# KiCad board rabbit_mask_capacitors_right.kicad_pcb
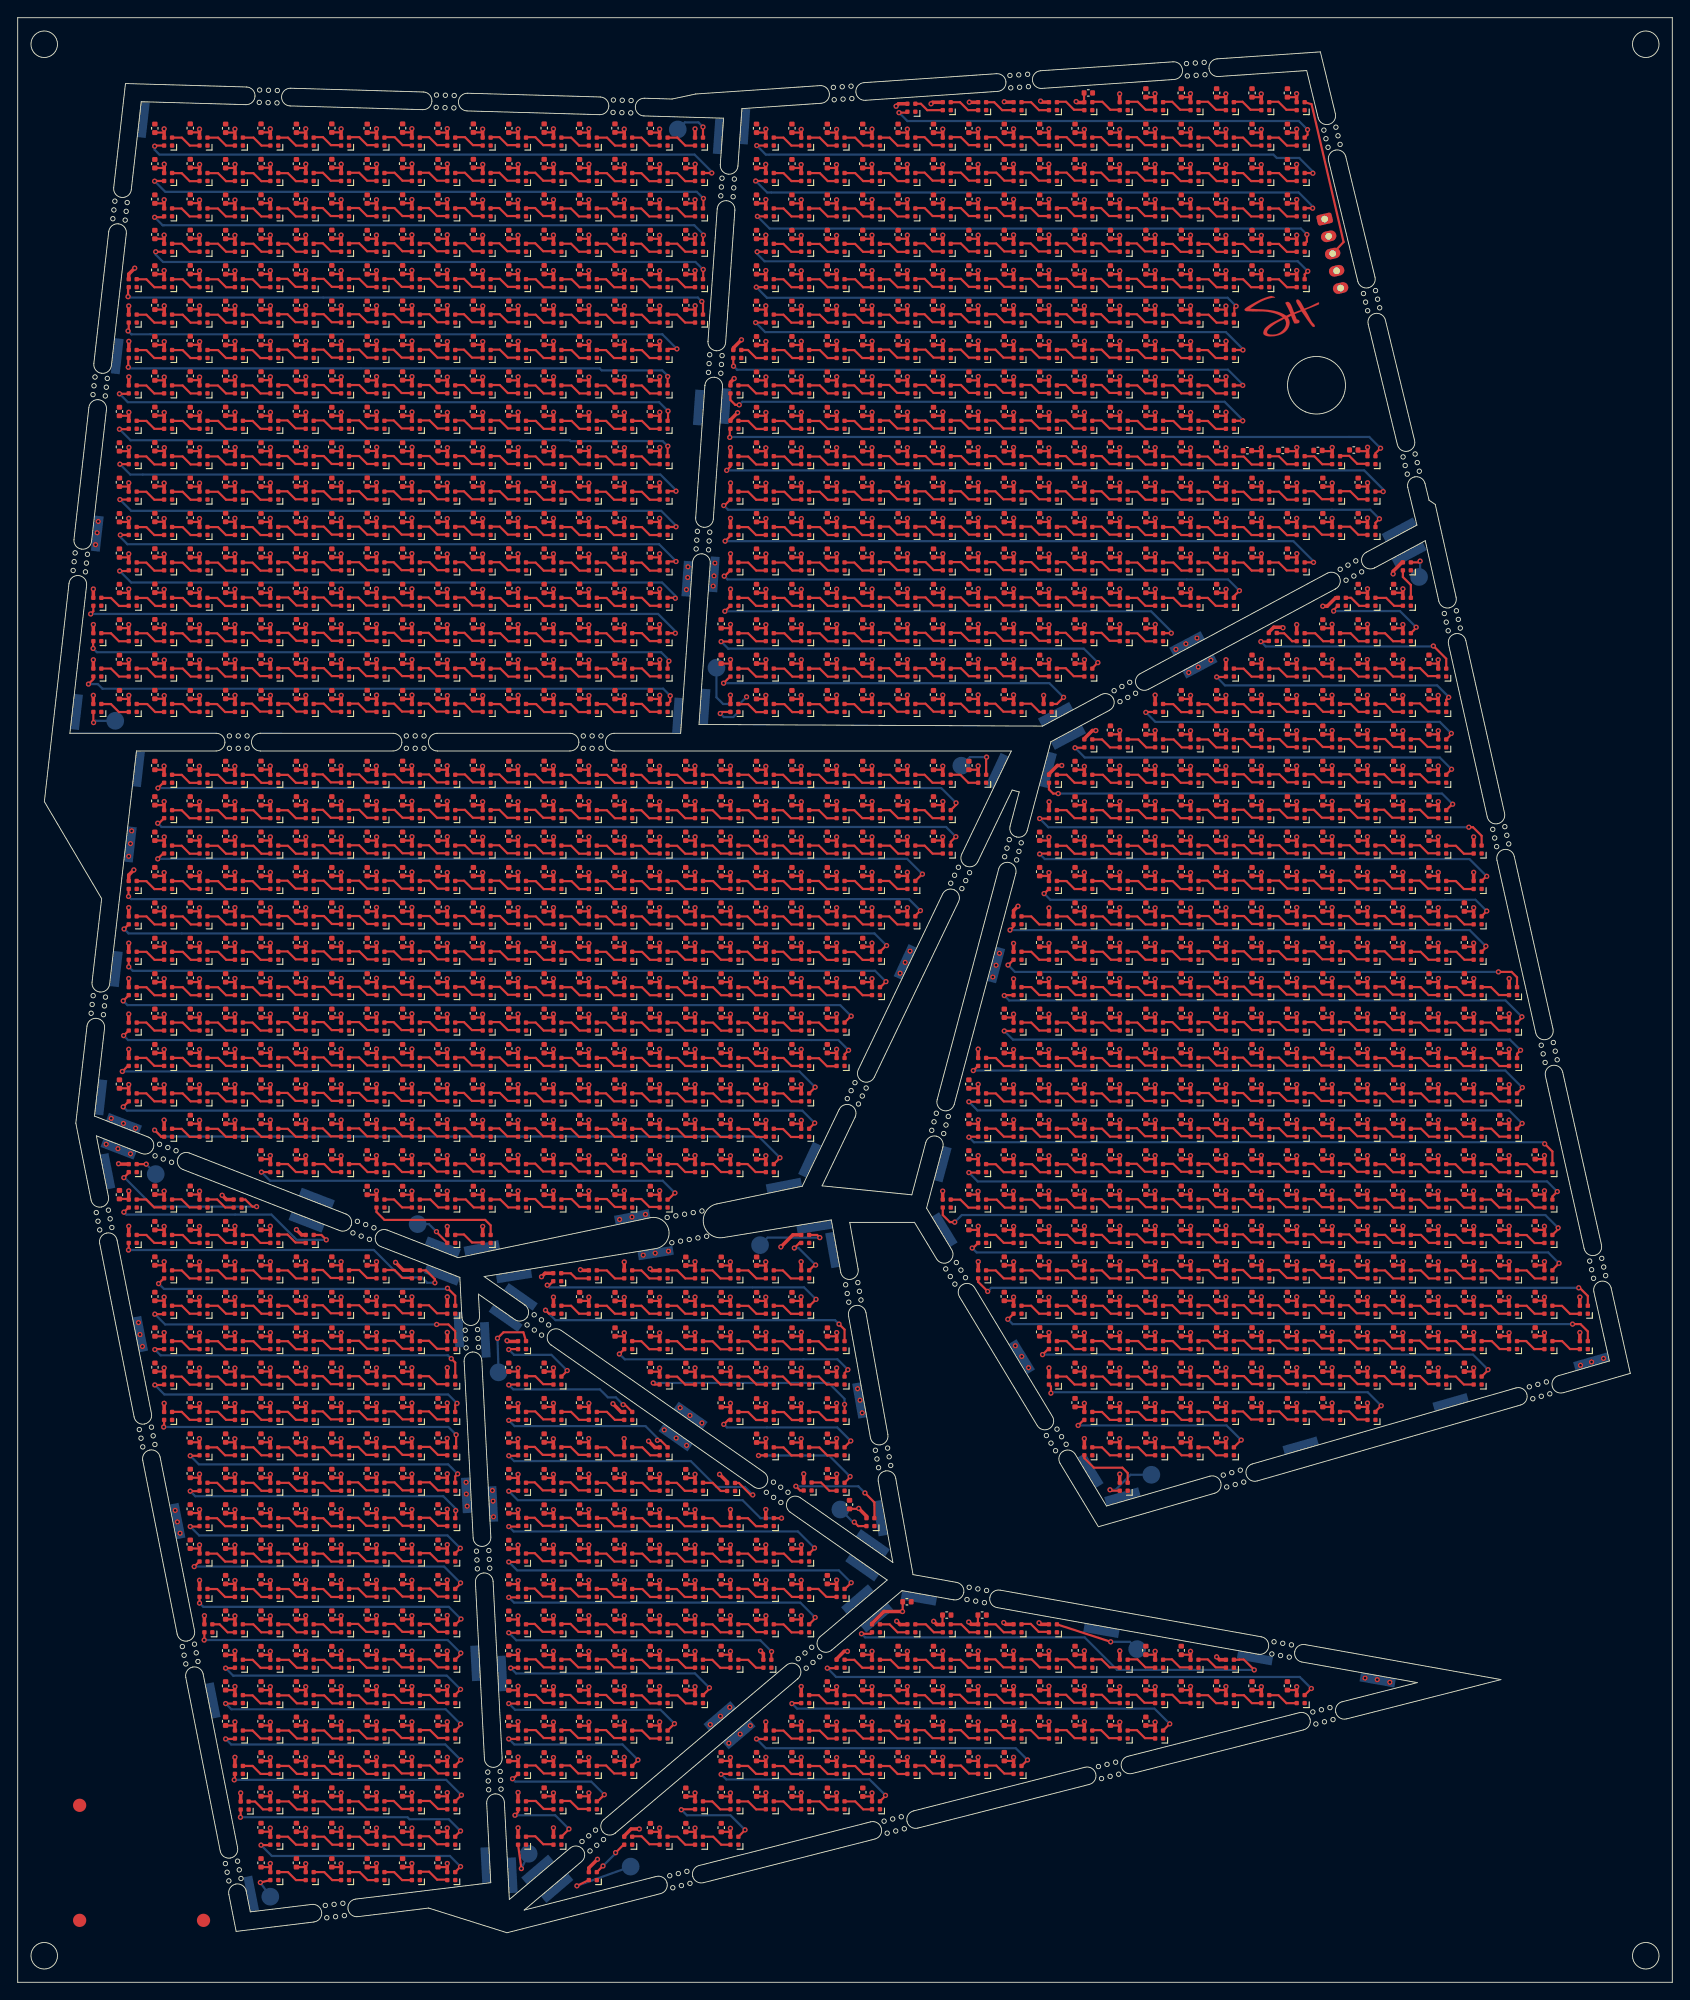
[diagram p0: board, top side]
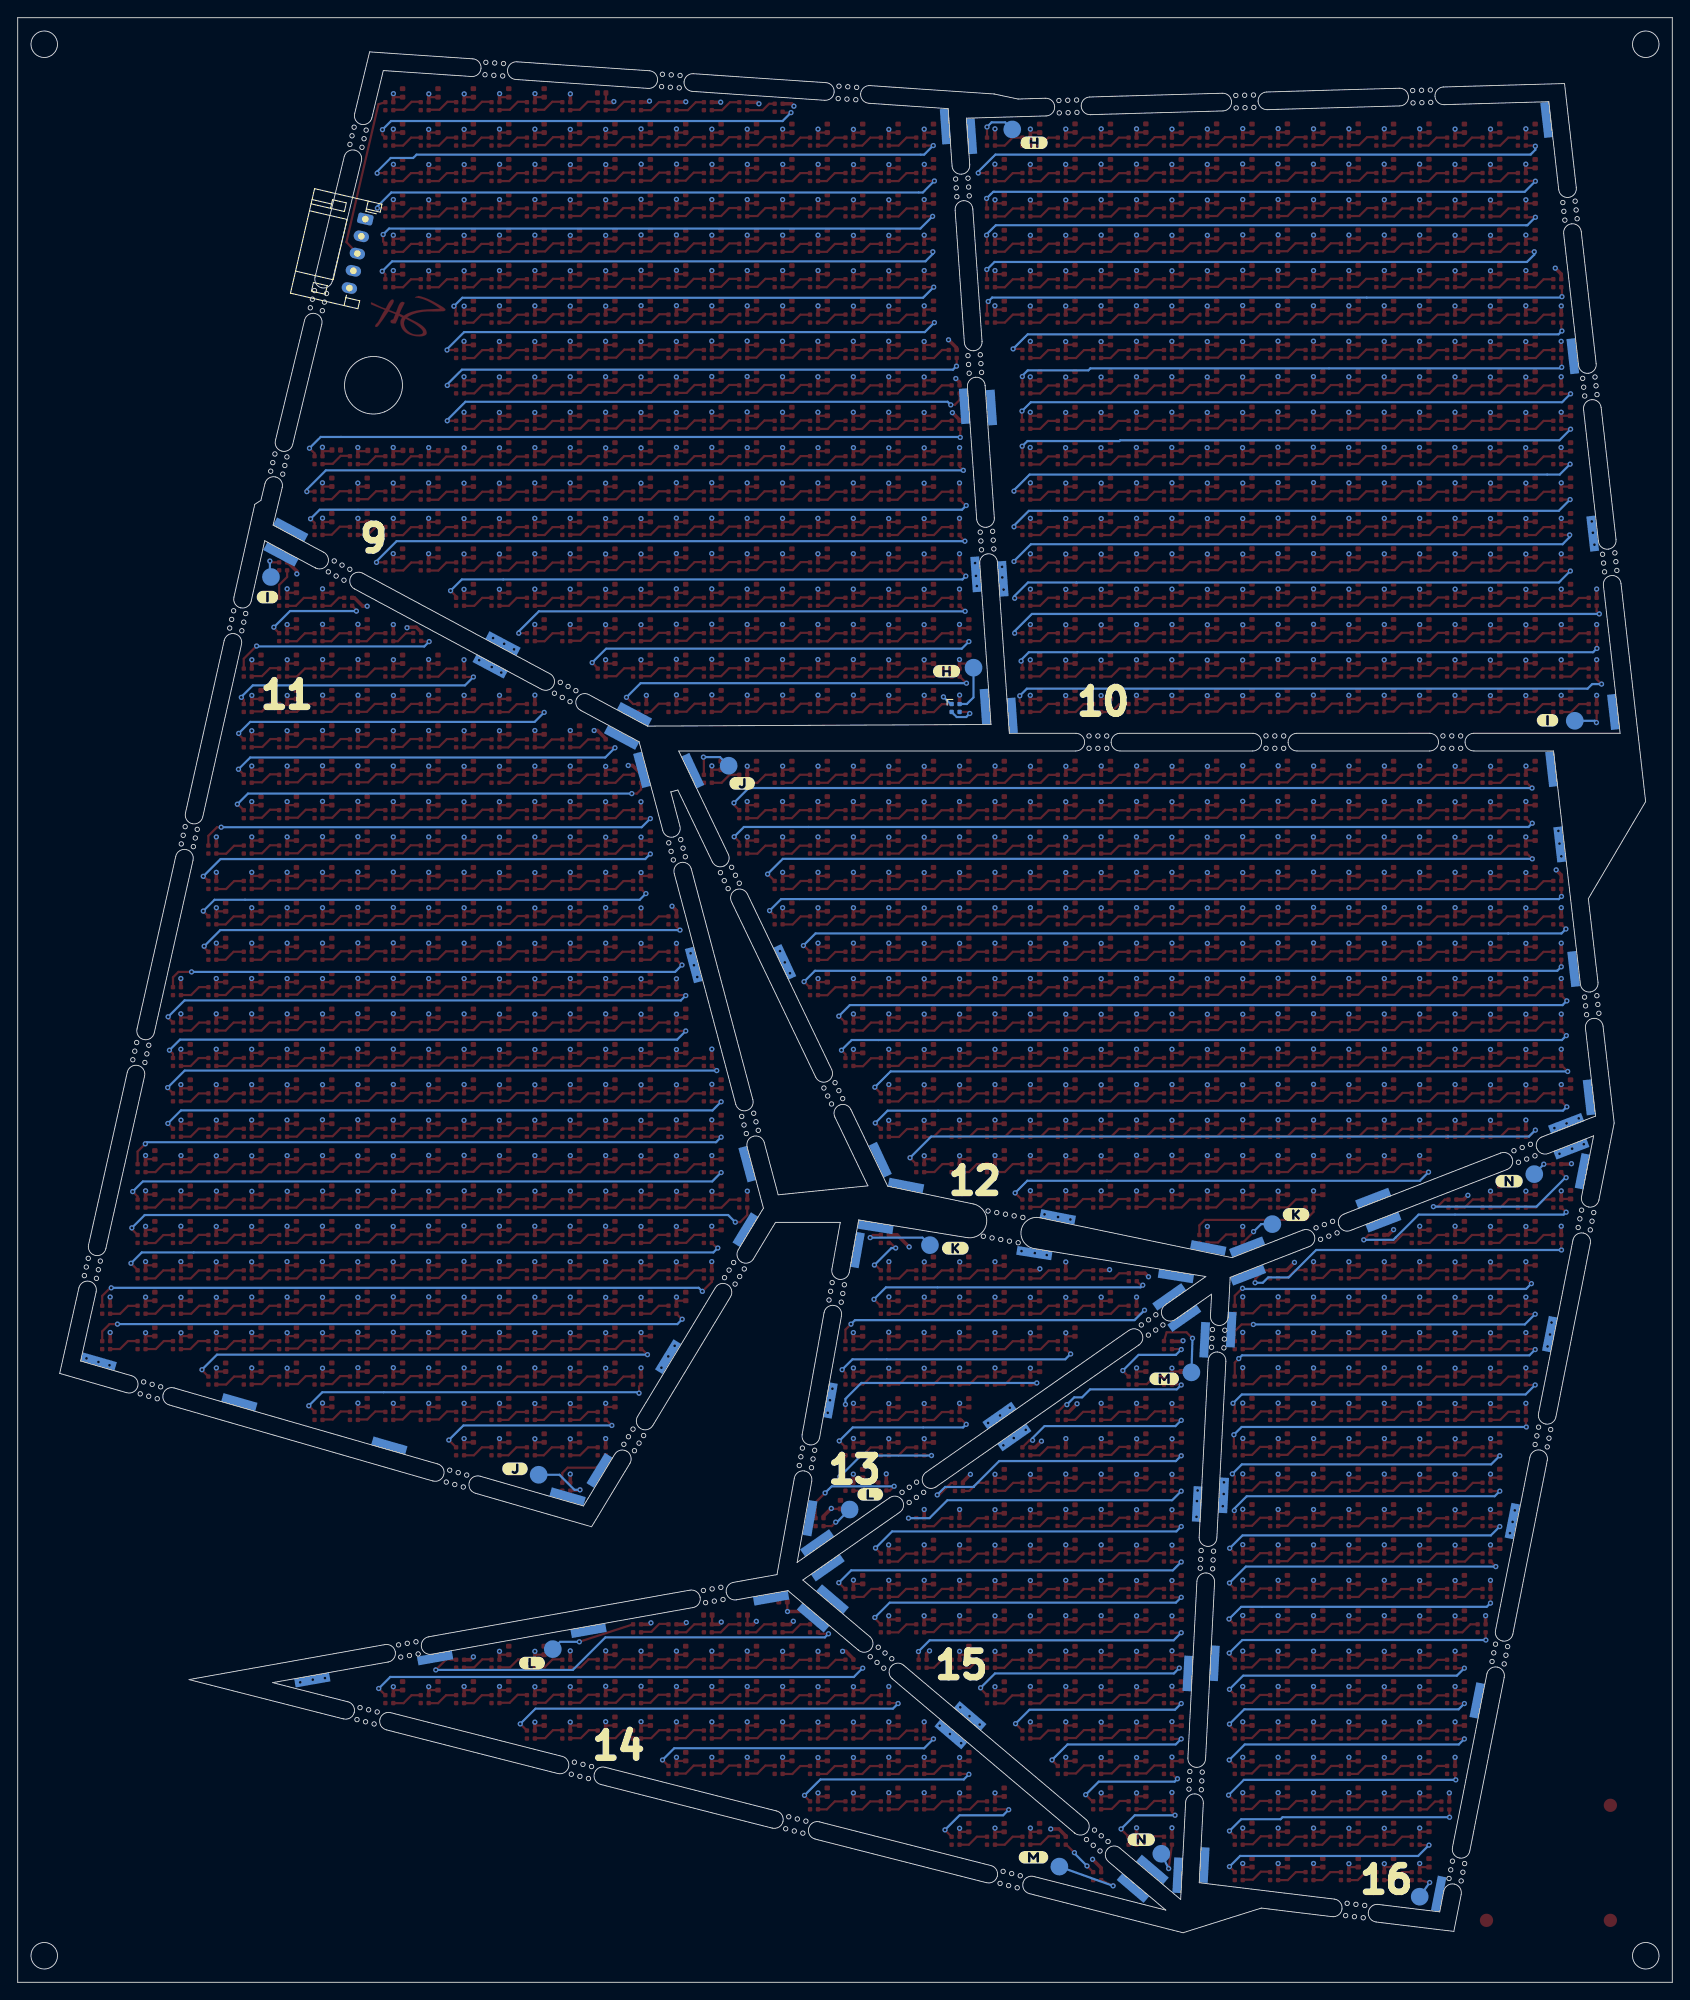
[diagram p1: board, bottom side, seen from below]

Outline 187 x 222 mm; copper layers: Top, Bottom. Coordinates in mm from the lower left corner of the outline.
Outline path: circle c3,219 r1.5 ; circle c3,3 r1.5 ; circle c6.27,159.54 r0.25 ; circle c6.38,160.53 r0.25 ; circle c6.49,161.52 r0.25 ; circle c7.66,159.38 r0.25 ; circle c7.77,160.37 r0.25 ; circle c7.88,161.37 r0.25 ; circle c8.3,109.5 r0.25 ; circle c8.41,110.49 r0.25 ; circle c8.51,179.41 r0.25 ; circle c8.53,111.49 r0.25 ; circle c8.62,180.4 r0.25 ; circle c8.74,181.4 r0.25 ; circle c8.88,86.98 r0.25 ; circle c9.07,86 r0.25 ; circle c9.27,85.02 r0.25 ; circle c9.69,109.34 r0.25 ; circle c9.8,110.33 r0.25 ; circle c9.9,179.25 r0.25 ; circle c9.92,111.33 r0.25 ; circle c10.01,180.25 r0.25 ; circle c10.13,181.24 r0.25 ; circle c10.25,87.25 r0.25 ; circle c10.45,86.27 r0.25 ; circle c10.64,85.29 r0.25 ; circle c10.76,199.28 r0.25 ; circle c10.87,200.28 r0.25 ; circle c10.98,201.27 r0.25 ; circle c12.15,199.13 r0.25 ; circle c12.26,200.12 r0.25 ; circle c12.37,201.11 r0.25 ; circle c13.74,62.46 r0.25 ; circle c13.94,61.48 r0.25 ; circle c14.13,60.5 r0.25 ; circle c15.12,62.73 r0.25 ; circle c15.31,61.75 r0.25 ; circle c15.51,60.77 r0.25 ; circle c15.52,93.39 r0.25 ; circle c16.03,94.69 r0.25 ; circle c16.46,93.03 r0.25 ; circle c16.96,94.33 r0.25 ; circle c17.39,92.66 r0.25 ; circle c17.9,93.97 r0.25 ; circle c18.61,37.94 r0.25 ; circle c18.8,36.96 r0.25 ; circle c19,35.98 r0.25 ; circle c19.98,38.21 r0.25 ; circle c20.18,37.23 r0.25 ; circle c20.37,36.25 r0.25 ; circle c23.47,13.42 r0.25 ; circle c23.67,12.44 r0.25 ; circle c23.86,11.46 r0.25 ; circle c23.92,139.44 r0.25 ; circle c23.92,140.84 r0.25 ; circle c24.85,13.69 r0.25 ; circle c24.92,139.44 r0.25 ; circle c24.92,140.84 r0.25 ; circle c25.04,12.71 r0.25 ; circle c25.24,11.73 r0.25 ; circle c25.92,139.44 r0.25 ; circle c25.92,140.84 r0.25 ; circle c27.3,212.43 r0.25 ; circle c27.34,213.83 r0.25 ; circle c28.3,212.4 r0.25 ; circle c28.34,213.8 r0.25 ; circle c29.3,212.37 r0.25 ; circle c29.34,213.77 r0.25 ; circle c34.76,8.69 r0.25 ; circle c34.93,7.3 r0.25 ; circle c35.76,8.81 r0.25 ; circle c35.93,7.42 r0.25 ; circle c36.75,8.93 r0.25 ; circle c36.92,7.54 r0.25 ; circle c37.89,84.68 r0.25 ; circle c38.4,85.99 r0.25 ; circle c38.82,84.32 r0.25 ; circle c39.33,85.62 r0.25 ; circle c39.75,83.96 r0.25 ; circle c40.26,85.26 r0.25 ; circle c43.92,139.44 r0.25 ; circle c43.92,140.84 r0.25 ; circle c44.92,139.44 r0.25 ; circle c44.92,140.84 r0.25 ; circle c45.92,139.44 r0.25 ; circle c45.92,140.84 r0.25 ; circle c47.29,211.86 r0.25 ; circle c47.33,213.26 r0.25 ; circle c48.29,211.84 r0.25 ; circle c48.33,213.24 r0.25 ; circle c49.29,211.81 r0.25 ; circle c49.33,213.21 r0.25 ; circle c50.58,73.69 r0.25 ; circle c50.63,72.69 r0.25 ; circle c50.68,71.69 r0.25 ; circle c51.85,48.72 r0.25 ; circle c51.9,47.72 r0.25 ; circle c51.95,46.72 r0.25 ; circle c51.98,73.76 r0.25 ; circle c52.03,72.76 r0.25 ; circle c52.08,71.76 r0.25 ; circle c53.13,23.75 r0.25 ; circle c53.18,22.75 r0.25 ; circle c53.23,21.76 r0.25 ; circle c53.25,48.79 r0.25 ; circle c53.3,47.79 r0.25 ; circle c53.35,46.79 r0.25 ; circle c54.52,23.82 r0.25 ; circle c54.58,22.83 r0.25 ; circle c54.63,21.83 r0.25 ; circle c57.57,74.28 r0.25 ; circle c58.37,75.43 r0.25 ; circle c58.39,73.71 r0.25 ; circle c59.19,74.86 r0.25 ; circle c59.21,73.14 r0.25 ; circle c60.01,74.28 r0.25 ; circle c63.78,15.91 r0.25 ; circle c63.92,139.44 r0.25 ; circle c63.92,140.84 r0.25 ; circle c64.54,16.55 r0.25 ; circle c64.68,14.84 r0.25 ; circle c64.92,139.44 r0.25 ; circle c64.92,140.84 r0.25 ; circle c65.3,17.2 r0.25 ; circle c65.44,15.49 r0.25 ; circle c65.92,139.44 r0.25 ; circle c65.92,140.84 r0.25 ; circle c66.21,16.13 r0.25 ; circle c67.29,211.3 r0.25 ; circle c67.33,212.7 r0.25 ; circle c68.29,211.27 r0.25 ; circle c68.33,212.67 r0.25 ; circle c69.29,211.24 r0.25 ; circle c69.32,212.64 r0.25 ; circle c73.4,86.43 r0.25 ; circle c73.69,12.04 r0.25 ; circle c73.93,83.57 r0.25 ; circle c74.04,10.68 r0.25 ; circle c74.38,86.61 r0.25 ; circle c74.66,12.29 r0.25 ; circle c74.91,83.75 r0.25 ; circle c75.01,10.93 r0.25 ; circle c75.37,86.79 r0.25 ; circle c75.63,12.53 r0.25 ; circle c75.9,83.94 r0.25 ; circle c75.98,11.18 r0.25 ; circle c76.35,86.98 r0.25 ; circle c76.68,161.97 r0.25 ; circle c76.75,162.97 r0.25 ; circle c76.82,163.96 r0.25 ; circle c76.88,84.12 r0.25 ; circle c77.33,87.16 r0.25 ; circle c77.86,84.3 r0.25 ; circle c78.07,181.92 r0.25 ; circle c78.08,161.87 r0.25 ; circle c78.14,182.92 r0.25 ; circle c78.15,162.87 r0.25 ; circle c78.21,183.91 r0.25 ; circle c78.21,163.87 r0.25 ; circle c79.46,201.87 r0.25 ; circle c79.47,181.82 r0.25 ; circle c79.53,202.87 r0.25 ; circle c79.54,182.82 r0.25 ; circle c79.6,203.86 r0.25 ; circle c79.61,183.82 r0.25 ; circle c80.86,201.77 r0.25 ; circle c80.93,202.77 r0.25 ; circle c81,203.77 r0.25 ; circle c84.61,55.37 r0.25 ; circle c85.41,56.52 r0.25 ; circle c85.43,54.8 r0.25 ; circle c86.23,55.94 r0.25 ; circle c86.25,54.22 r0.25 ; circle c87.05,55.37 r0.25 ; circle c88.21,36.57 r0.25 ; circle c88.98,37.21 r0.25 ; circle c89.12,35.5 r0.25 ; circle c89.74,37.86 r0.25 ; circle c89.88,36.14 r0.25 ; circle c90.64,36.79 r0.25 ; circle c92.19,214.13 r0.25 ; circle c92.28,212.73 r0.25 ; circle c93.18,214.19 r0.25 ; circle c93.28,212.8 r0.25 ; circle c93.57,78.82 r0.25 ; circle c93.75,77.84 r0.25 ; circle c93.76,99.86 r0.25 ; circle c93.93,76.85 r0.25 ; circle c94.18,214.26 r0.25 ; circle c94.19,100.76 r0.25 ; circle c94.28,212.87 r0.25 ; circle c94.63,101.66 r0.25 ; circle c94.95,79.07 r0.25 ; circle c95.02,99.25 r0.25 ; circle c95.13,78.08 r0.25 ; circle c95.31,77.1 r0.25 ; circle c95.45,100.15 r0.25 ; circle c95.89,101.05 r0.25 ; circle c96.94,60.12 r0.25 ; circle c97.11,59.14 r0.25 ; circle c97.29,58.15 r0.25 ; circle c97.92,18.21 r0.25 ; circle c98.27,16.85 r0.25 ; circle c98.31,60.37 r0.25 ; circle c98.49,59.38 r0.25 ; circle c98.67,58.4 r0.25 ; circle c98.89,18.46 r0.25 ; circle c99.23,17.1 r0.25 ; circle c99.86,18.7 r0.25 ; circle c100.2,17.35 r0.25 ; circle c103.3,96.27 r0.25 ; circle c103.56,97.24 r0.25 ; circle c103.82,98.2 r0.25 ; circle c104.66,95.91 r0.25 ; circle c104.88,80.61 r0.25 ; circle c104.91,96.88 r0.25 ; circle c105.17,97.84 r0.25 ; circle c105.4,79.75 r0.25 ; circle c105.45,124.19 r0.25 ; circle c105.88,125.1 r0.25 ; circle c105.92,78.9 r0.25 ; circle c106.08,81.33 r0.25 ; circle c106.32,126 r0.25 ; circle c106.6,80.48 r0.25 ; circle c106.71,123.59 r0.25 ; circle c107.12,79.62 r0.25 ; circle c107.14,124.49 r0.25 ; circle c107.29,43.25 r0.25 ; circle c107.53,44.63 r0.25 ; circle c107.58,125.39 r0.25 ; circle c108.27,43.08 r0.25 ; circle c108.52,44.46 r0.25 ; circle c109.26,42.9 r0.25 ; circle c109.5,44.28 r0.25 ; circle c111.55,127.19 r0.25 ; circle c111.8,128.16 r0.25 ; circle c112.06,129.12 r0.25 ; circle c112.14,215.47 r0.25 ; circle c112.24,214.08 r0.25 ; circle c112.9,126.83 r0.25 ; circle c113.14,215.54 r0.25 ; circle c113.16,127.8 r0.25 ; circle c113.23,214.14 r0.25 ; circle c113.41,128.76 r0.25 ; circle c114.14,215.61 r0.25 ; circle c114.23,214.21 r0.25 ; circle c116.26,61.78 r0.25 ; circle c116.78,60.93 r0.25 ; circle c117.3,60.07 r0.25 ; circle c117.46,62.51 r0.25 ; circle c117.98,61.65 r0.25 ; circle c118.49,60.79 r0.25 ; circle c122.15,24.38 r0.25 ; circle c122.49,23.02 r0.25 ; circle c123.12,24.63 r0.25 ; circle c123.46,23.27 r0.25 ; circle c123.92,145.95 r0.25 ; circle c124.08,24.87 r0.25 ; circle c124.43,23.52 r0.25 ; circle c124.58,144.72 r0.25 ; circle c124.8,146.43 r0.25 ; circle c125.46,145.19 r0.25 ; circle c125.68,146.9 r0.25 ; circle c126.34,145.67 r0.25 ; circle c132.1,216.82 r0.25 ; circle c132.19,215.42 r0.25 ; circle c133.09,216.88 r0.25 ; circle c133.19,215.49 r0.25 ; circle c134.09,216.95 r0.25 ; circle c134.18,215.56 r0.25 ; circle c136.25,57.32 r0.25 ; circle c136.64,55.97 r0.25 ; circle c137.21,57.59 r0.25 ; circle c137.6,56.25 r0.25 ; circle c138.18,57.87 r0.25 ; circle c138.56,56.53 r0.25 ; circle c141.74,37.1 r0.25 ; circle c141.99,38.48 r0.25 ; circle c142.73,36.93 r0.25 ; circle c142.97,38.3 r0.25 ; circle c143.71,36.75 r0.25 ; circle c143.96,38.13 r0.25 ; circle c146.37,30.55 r0.25 ; circle c146.72,29.19 r0.25 ; circle c147.34,30.8 r0.25 ; circle c147.62,209.3 r0.25 ; circle c147.69,29.44 r0.25 ; circle c147.86,208.33 r0.25 ; circle c148.09,207.35 r0.25 ; circle c148.31,31.04 r0.25 ; circle c148.66,29.69 r0.25 ; circle c148.98,209.63 r0.25 ; circle c149.22,208.66 r0.25 ; circle c149.45,207.68 r0.25 ; circle c149.47,159.67 r0.25 ; circle c150.13,158.44 r0.25 ; circle c150.35,160.14 r0.25 ; circle c151.01,158.91 r0.25 ; circle c151.23,160.62 r0.25 ; circle c151.89,159.38 r0.25 ; circle c152.1,190.83 r0.25 ; circle c152.33,189.86 r0.25 ; circle c152.57,188.89 r0.25 ; circle c153.46,191.16 r0.25 ; circle c153.69,190.19 r0.25 ; circle c153.93,189.22 r0.25 ; circle c156.57,172.37 r0.25 ; circle c156.81,171.4 r0.25 ; circle c157.05,170.42 r0.25 ; circle c157.93,172.7 r0.25 ; circle c158.17,171.73 r0.25 ; circle c158.41,170.75 r0.25 ; circle c161.23,154.67 r0.25 ; circle c161.45,153.7 r0.25 ; circle c161.67,152.72 r0.25 ; circle c162.6,154.98 r0.25 ; circle c162.82,154 r0.25 ; circle c163.04,153.03 r0.25 ; circle c166.71,130.28 r0.25 ; circle c166.93,129.31 r0.25 ; circle c167.15,128.33 r0.25 ; circle c168.08,130.59 r0.25 ; circle c168.29,129.61 r0.25 ; circle c168.51,128.64 r0.25 ; circle c170.84,67.29 r0.25 ; circle c171.23,65.94 r0.25 ; circle c171.8,67.57 r0.25 ; circle c172.19,105.89 r0.25 ; circle c172.19,66.22 r0.25 ; circle c172.4,104.91 r0.25 ; circle c172.62,103.94 r0.25 ; circle c172.77,67.84 r0.25 ; circle c173.15,66.5 r0.25 ; circle c173.55,106.2 r0.25 ; circle c173.77,105.22 r0.25 ; circle c173.99,104.24 r0.25 ; circle c177.66,81.5 r0.25 ; circle c177.88,80.52 r0.25 ; circle c178.1,79.55 r0.25 ; circle c179.03,81.8 r0.25 ; circle c179.25,80.83 r0.25 ; circle c179.47,79.85 r0.25 ; circle c184,219 r1.5 ; circle c184,3 r1.5 ; 5.8,158.08 3.01,133.42 9.49,122.45 8.4,113.01 ; 22.45,141.14 5.9,141.14 7.79,157.86 ; 6.36,163.05 8.04,177.95 ; 7.83,108.05 6.57,97.09 8.29,88.4 ; 8.61,182.92 10.29,197.83 ; 14.75,95.52 8.67,97.88 9.82,107.82 ; 10.26,88.78 8.89,95.65 14.02,93.66 ; 10.03,177.73 8.35,162.82 ; 10.85,202.79 12.18,214.56 25.85,214.17 ; 11.23,83.88 15.12,64.26 ; 12.28,197.6 10.59,182.7 ; 13.16,63.87 9.27,83.49 ; 10.39,112.78 13.42,139.14 22.42,139.14 ; 12.84,202.57 13.96,212.51 25.8,212.17 ; 16.09,59.36 19.98,39.74 ; 18.02,39.35 14.13,58.97 ; 19.4,93.71 37.11,86.81 ; 20.96,34.84 24.85,15.22 ; 22.89,14.83 19,34.45 ; 23.86,9.93 24.69,5.75 33.48,6.82 ; 25.82,10.32 26.29,7.96 33.24,8.8 ; 27.4,141.14 42.45,141.14 ; 30.85,214.03 45.84,213.61 ; 36.38,84.95 18.68,91.84 ; 38.2,9.4 53.46,11.25 53.01,20.24 ; 41.76,85 49.75,81.89 71.49,86.4 ; 42.42,139.14 27.42,139.14 ; 45.79,211.61 30.79,212.03 ; 38.44,7.42 46.44,8.39 55.29,5.6 72.66,10.02 ; 47.4,141.14 62.44,141.14 ; 41.04,83.13 49.97,79.66 50.2,75.17 ; 50.84,213.46 65.83,213.04 ; 51.48,50.2 50.46,70.18 ; 52.2,75.27 52.07,77.76 56.17,74.9 ; 52.45,70.28 53.47,50.31 ; 57.31,76.53 52.72,79.75 72.13,82.92 ; 52.75,25.24 51.73,45.21 ; 53.73,45.31 54.75,25.34 ; 55,20.34 55.56,9.36 62.44,15.17 ; 72.17,11.96 57.25,8.16 63.73,13.64 ; 62.42,139.14 47.42,139.14 ; 65.78,211.04 50.78,211.47 ; 66.25,18.4 86.87,35.83 ; 67.4,141.14 74.93,141.14 76.28,160.49 ; 70.83,212.9 73.95,212.81 76.63,213.38 90.67,214.33 ; 76.62,165.48 77.67,180.44 ; 77.01,13.2 96.39,18.13 ; 78.01,185.43 79.06,200.39 ; 78.27,160.35 77,142.13 115.83,141.95 122.45,145.51 ; 79.02,87.96 88.68,89.97 92.84,98.63 ; 79.41,205.38 79.77,210.65 70.78,210.9 ; 79.66,180.3 78.62,165.34 ; 81.05,200.26 80.01,185.29 ; 81.4,205.24 81.85,211.73 90.8,212.33 ; 88.16,34.3 88.17,34.3 67.55,16.87 ; 88.45,54.76 88.45,54.76 98.91,47.45 97.26,56.62 ; 90.69,39.06 98.26,45.46 87.31,53.12 ; 79.73,84.16 91.95,86.15 93.01,80.24 ; 94.98,80.6 94.03,85.88 101.35,85.88 103.85,81.74 ; 94.64,97.77 90.91,90 101.05,88.99 102.63,94.9 ; 95,103.14 104.53,122.97 ; 95.66,214.66 110.62,215.67 ; 95.87,75.68 98.34,61.9 ; 96.37,61.54 93.9,75.32 ; 96.89,16.19 77.5,11.26 ; 99.23,56.98 101.19,46.07 106.11,45.19 ; 91.98,37.53 99.95,44.26 105.76,43.22 ; 101.24,19.36 120.62,24.3 ; 105.56,82.77 102.72,87.48 104.56,94.38 ; 103.92,99.73 110.87,125.82 ; 106.33,122.11 96.81,102.28 ; 106.69,127.48 112.29,139.14 67.42,139.14 ; 108.15,78.49 116.94,63.94 ; 110.76,213.68 95.79,212.67 ; 111.03,44.31 140.56,39.04 ; 112.16,130.65 113.19,134.51 112.39,134.73 108.5,126.61 ; 112.8,125.3 105.85,99.21 ; 115.23,62.91 106.44,77.46 ; 115.61,216.01 130.58,217.02 ; 114.09,130.13 116.77,140.19 123.4,143.75 ; 119.53,59.67 123.06,53.82 134.73,57.19 ; 121.11,22.36 101.73,17.43 ; 117.81,58.63 122.14,51.48 135.28,55.27 ; 125.46,25.53 144.84,30.47 ; 126.86,147.87 148,159.22 ; 130.71,215.02 115.75,214.01 ; 135.57,217.35 147.23,218.14 148.92,211.16 ; 139.53,58.58 169.32,67.16 ; 140.21,37.07 110.68,42.34 ; 145.34,28.53 125.96,23.6 ; 145.49,38.16 167.63,34.21 150.18,29.76 ; 135.7,215.36 145.68,216.03 146.97,210.68 ; 148.95,157.46 127.8,146.11 ; 149.69,31.7 158.17,33.86 145.13,36.19 ; 150.1,206.3 153.4,192.69 ; 151.45,192.22 148.15,205.83 ; 152.41,161.59 158.13,164.66 157.11,168.9 ; 154.57,187.83 157.87,174.23 ; 155.93,173.76 152.63,187.36 ; 159.05,169.37 159.51,167.47 160.21,167 162.56,156.51 ; 153.35,159.83 159.08,162.9 160.61,156.07 ; 163.66,151.63 168.04,132.12 ; 166.09,131.68 161.71,151.19 ; 169.14,127.24 173.52,107.73 ; 169.87,65.24 140.09,56.65 ; 171.56,107.29 167.18,126.8 ; 174.12,68.55 179.89,70.21 178.14,78.02 ; 174.61,102.85 178.99,83.33 ; 177.04,82.9 172.66,102.41 ; 180.09,78.45 182.25,68.81 174.68,66.63 ; 0,222 187,222 187,0 0,0 0,222 ; 60.27,72.03 arc(60.02,73.42) 61.41,73.67 84.36,57.62 arc(84.6,56.23) 83.21,55.98 60.27,72.03
Stack: Top 0.035mm / dielectric 1.51mm FR4 er 4.5 / Bottom 0.035mm

## Placement (name value [footprint] x y rotation side)
C1485  0.1uF  [C_0402_1005Metric]  123.5 133.5 90 top
C1485#2  0.1uF  [C_0402_1005Metric]  59.5 165.5 90 top
C1485#3  0.1uF  [C_0402_1005Metric]  43.5 25.48 90 top
C1485#4  0.1uF  [C_0402_1005Metric]  43.5 117.5 90 top
C1485#5  0.1uF  [C_0402_1005Metric]  23.5 197.5 90 top
C1485#6  0.1uF  [C_0402_1005Metric]  67.5 45.48 90 top
C1485#7  0.1uF  [C_0402_1005Metric]  71.51 97.5 90 top
C1485#8  0.1uF  [C_0402_1005Metric]  111.5 149.5 90 top
C1485#9  0.1uF  [C_0402_1005Metric]  27.5 121.5 90 top
C1485#10  0.1uF  [C_0402_1005Metric]  95.5 29.5 90 top
C1485#11  0.1uF  [C_0402_1005Metric]  123.5 69.5 90 top
C1485#12  0.1uF  [C_0402_1005Metric]  131.5 97.5 90 top
C1485#13  0.1uF  [C_0402_1005Metric]  39.5 197.5 90 top
C1485#14  0.1uF  [C_0402_1005Metric]  67.5 57.48 90 top
C1485#15  0.1uF  [C_0402_1005Metric]  131.5 173.5 90 top
C1485#16  0.1uF  [C_0402_1005Metric]  151.5 153.5 90 top
C1485#17  0.1uF  [C_0402_1005Metric]  135.5 129.5 90 top
C1485#18  0.1uF  [C_0402_1005Metric]  159.5 121.5 90 top
C1485#19  0.1uF  [C_0402_1005Metric]  115.5 93.5 90 top
C1485#20  0.1uF  [C_0402_1005Metric]  163.5 85.5 90 top
C1485#21  0.1uF  [C_0402_1005Metric]  31.5 177.52 90 top
C1485#22  0.1uF  [C_0402_1005Metric]  131.5 37.5 90 top
C1485#23  0.1uF  [C_0402_1005Metric]  59.5 205.52 90 top
C1485#24  0.1uF  [C_0402_1005Metric]  47.5 25.48 90 top
C1485#25  0.1uF  [C_0402_1005Metric]  35.5 25.48 90 top
C1485#26  0.1uF  [C_0402_1005Metric]  15.5 81.5 90 top
C1485#27  0.1uF  [C_0402_1005Metric]  59.5 57.48 90 top
C1485#28  0.1uF  [C_0402_1005Metric]  39.5 157.52 90 top
C1485#29  0.1uF  [C_0402_1005Metric]  51.5 201.52 90 top
C1485#30  0.1uF  [C_0402_1005Metric]  95.5 169.5 90 top
C1485#31  0.1uF  [C_0402_1005Metric]  27.5 25.48 90 top
C1485#32  0.1uF  [C_0402_1005Metric]  87.5 29.5 90 top
C1485#33  0.1uF  [C_0402_1005Metric]  39.5 169.52 90 top
C1485#34  0.1uF  [C_0402_1005Metric]  95.5 181.5 90 top
C1485#35  0.1uF  [C_0402_1005Metric]  111.5 81.5 90 top
C1485#36  0.1uF  [C_0402_1005Metric]  127.5 201.5 90 top
C1485#37  0.1uF  [C_0402_1005Metric]  115.5 33.5 90 top
C1485#38  0.1uF  [C_0402_1005Metric]  135.5 205.5 90 top
C1485#39  0.1uF  [C_0402_1005Metric]  39.5 65.5 90 top
C1485#40  0.1uF  [C_0402_1005Metric]  39.5 61.5 90 top
C1485#41  0.1uF  [C_0402_1005Metric]  75.5 193.5 90 top
C1485#42  0.1uF  [C_0402_1005Metric]  107.5 137.5 90 top
C1485#43  0.1uF  [C_0402_1005Metric]  127.5 117.5 90 top
C1485#44  0.1uF  [C_0402_1005Metric]  15.5 157.52 90 top
C1485#45  0.1uF  [C_0402_1005Metric]  31.5 117.5 90 top
C1485#46  0.1uF  [C_0402_1005Metric]  83.5 161.5 90 top
C1485#47  0.1uF  [C_0402_1005Metric]  111.5 145.5 90 top
C1485#48  0.1uF  [C_0402_1005Metric]  31.5 205.5 90 top
C1485#49  0.1uF  [C_0402_1005Metric]  135.5 97.5 90 top
C1485#50  0.1uF  [C_0402_1005Metric]  143.5 85.5 90 top
C1485#51  0.1uF  [C_0402_1005Metric]  67.5 137.52 90 top
C1485#52  0.1uF  [C_0402_1005Metric]  83.5 201.5 90 top
C1485#53  0.1uF  [C_0402_1005Metric]  75.5 33.48 90 top
C1485#54  0.1uF  [C_0402_1005Metric]  111.5 93.5 90 top
C1485#55  0.1uF  [C_0402_1005Metric]  103.5 181.5 90 top
C1485#56  0.1uF  [C_0402_1005Metric]  139.5 165.5 90 top
C1485#57  0.1uF  [C_0402_1005Metric]  43.5 133.5 90 top
C1485#58  0.1uF  [C_0402_1005Metric]  23.5 45.5 90 top
C1485#59  0.1uF  [C_0402_1005Metric]  131.5 61.5 90 top
C1485#60  0.1uF  [C_0402_1005Metric]  127.5 37.5 90 top
C1485#61  0.1uF  [C_0402_1005Metric]  59.5 177.5 90 top
C1485#62  0.1uF  [C_0402_1005Metric]  79.5 117.5 90 top
C1485#63  0.1uF  [C_0402_1005Metric]  23.5 177.52 90 top
C1485#64  0.1uF  [C_0402_1005Metric]  123.5 173.5 90 top
C1485#65  0.1uF  [C_0402_1005Metric]  107.5 101.5 90 top
C1485#66  0.1uF  [C_0402_1005Metric]  147.5 97.5 90 top
C1485#67  0.1uF  [C_0402_1005Metric]  19.5 117.5 90 top
C1485#68  0.1uF  [C_0402_1005Metric]  23.5 85.5 90 top
C1485#69  0.1uF  [C_0402_1005Metric]  111.5 169.5 90 top
C1485#70  0.1uF  [C_0402_1005Metric]  75.5 137.5 90 top
C1485#71  0.1uF  [C_0402_1005Metric]  107.5 201.5 90 top
C1485#72  0.1uF  [C_0402_1005Metric]  127.5 213.5 90 top
C1485#73  0.1uF  [C_0402_1005Metric]  19.5 181.52 90 top
C1485#74  0.1uF  [C_0402_1005Metric]  127.5 69.5 90 top
C1485#75  0.1uF  [C_0402_1005Metric]  131.5 65.5 90 top
C1485#76  0.1uF  [C_0402_1005Metric]  127.5 93.5 90 top
C1485#77  0.1uF  [C_0402_1005Metric]  151.5 129.5 90 top
C1485#78  0.1uF  [C_0402_1005Metric]  19.5 81.5 90 top
C1485#79  0.1uF  [C_0402_1005Metric]  83.5 189.5 90 top
C1485#80  0.1uF  [C_0402_1005Metric]  67.5 41.48 90 top
C1485#81  0.1uF  [C_0402_1005Metric]  87.51 97.5 90 top
C1485#82  0.1uF  [C_0402_1005Metric]  43.51 73.48 90 top
C1485#83  0.1uF  [C_0402_1005Metric]  139.5 133.5 90 top
C1485#84  0.1uF  [C_0402_1005Metric]  39.5 101.5 90 top
C1485#85  0.1uF  [C_0402_1005Metric]  55.5 129.5 90 top
C1485#86  0.1uF  [C_0402_1005Metric]  75.5 125.5 90 top
C1485#87  0.1uF  [C_0402_1005Metric]  43.5 89.48 90 top
C1485#88  0.1uF  [C_0402_1005Metric]  103.5 129.5 90 top
C1485#89  0.1uF  [C_0402_1005Metric]  47.5 149.52 90 top
C1485#90  0.1uF  [C_0402_1005Metric]  103.5 165.5 90 top
C1485#91  0.1uF  [C_0402_1005Metric]  147.5 141.5 90 top
C1485#92  0.1uF  [C_0402_1005Metric]  47.5 137.5 90 top
C1485#93  0.1uF  [C_0402_1005Metric]  51.51 97.5 90 top
C1485#94  0.1uF  [C_0402_1005Metric]  119.5 121.5 90 top
C1485#95  0.1uF  [C_0402_1005Metric]  91.5 185.5 90 top
C1485#96  0.1uF  [C_0402_1005Metric]  55.5 205.5 90 top
C1485#97  0.1uF  [C_0402_1005Metric]  83.5 209.5 90 top
C1485#98  0.1uF  [C_0402_1005Metric]  107.5 205.5 90 top
C1485#99  0.1uF  [C_0402_1005Metric]  11.5 89 90 top
C1485#100  0.1uF  [C_0402_1005Metric]  31.5 149.52 90 top
C1485#101  0.1uF  [C_0402_1005Metric]  131.5 209.5 90 top
C1485#102  0.1uF  [C_0402_1005Metric]  111.5 189.5 90 top
C1485#103  0.1uF  [C_0402_1005Metric]  27.5 77.5 90 top
C1485#104  0.1uF  [C_0402_1005Metric]  107.5 193.5 90 top
C1485#105  0.1uF  [C_0402_1005Metric]  59.5 133.5 90 top
C1485#106  0.1uF  [C_0402_1005Metric]  123.5 197.5 90 top
C1485#107  0.1uF  [C_0402_1005Metric]  87.5 105.5 90 top
C1485#108  0.1uF  [C_0402_1005Metric]  75.51 81.48 90 top
C1485#109  0.1uF  [C_0402_1005Metric]  47.5 177.52 90 top
C1485#110  0.1uF  [C_0402_1005Metric]  115.5 129.5 90 top
C1485#111  0.1uF  [C_0402_1005Metric]  109 41.5 0 top
C1485#112  0.1uF  [C_0402_1005Metric]  127.5 177.5 90 top
C1485#113  0.1uF  [C_0402_1005Metric]  47.5 181.5 90 top
C1485#114  0.1uF  [C_0402_1005Metric]  39.5 105.5 90 top
C1485#115  0.1uF  [C_0402_1005Metric]  91.5 153.5 90 top
C1485#116  0.1uF  [C_0402_1005Metric]  87.51 65.48 90 top
C1485#117  0.1uF  [C_0402_1005Metric]  39.51 73.48 90 top
C1485#118  0.1uF  [C_0402_1005Metric]  35.5 13.5 90 top
C1485#119  0.1uF  [C_0402_1005Metric]  63.5 145.52 90 top
C1485#120  0.1uF  [C_0402_1005Metric]  51.5 185.52 90 top
C1485#121  0.1uF  [C_0402_1005Metric]  127.5 141.5 90 top
C1485#122  0.1uF  [C_0402_1005Metric]  131.5 109.5 90 top
C1485#123  0.1uF  [C_0402_1005Metric]  87.5 177.5 90 top
C1485#124  0.1uF  [C_0402_1005Metric]  127.5 173.5 90 top
C1485#125  0.1uF  [C_0402_1005Metric]  115.5 205.5 90 top
C1485#126  0.1uF  [C_0402_1005Metric]  43.5 13.5 90 top
C1485#127  0.1uF  [C_0402_1005Metric]  163.5 77.5 90 top
C1485#128  0.1uF  [C_0402_1005Metric]  51.5 113.5 90 top
C1485#129  0.1uF  [C_0402_1005Metric]  135.5 69.5 90 top
C1485#130  0.1uF  [C_0402_1005Metric]  155.5 101.5 90 top
C1485#131  0.1uF  [C_0402_1005Metric]  35.5 165.5 90 top
C1485#132  0.1uF  [C_0402_1005Metric]  51.5 169.5 90 top
C1485#133  0.1uF  [C_0402_1005Metric]  31.5 157.52 90 top
C1485#134  0.1uF  [C_0402_1005Metric]  55.5 121.5 90 top
C1485#135  0.1uF  [C_0402_1005Metric]  131.5 121.5 90 top
C1485#136  0.1uF  [C_0402_1005Metric]  143.5 101.5 90 top
C1485#137  0.1uF  [C_0402_1005Metric]  99.5 121.5 90 top
C1485#138  0.1uF  [C_0402_1005Metric]  107.5 161.5 90 top
C1485#139  0.1uF  [C_0402_1005Metric]  39.5 177.52 90 top
C1485#140  0.1uF  [C_0402_1005Metric]  75.5 105.5 90 top
C1485#141  0.1uF  [C_0402_1005Metric]  91.5 161.5 90 top
C1485#142  0.1uF  [C_0402_1005Metric]  47.5 33.5 90 top
C1485#143  0.1uF  [C_0402_1005Metric]  51.5 181.52 90 top
C1485#144  0.1uF  [C_0402_1005Metric]  47.5 201.5 90 top
C1485#145  0.1uF  [C_0402_1005Metric]  115.5 29.5 90 top
C1485#146  0.1uF  [C_0402_1005Metric]  111.5 209.5 90 top
C1485#147  0.1uF  [C_0402_1005Metric]  71.5 185.5 90 top
C1485#148  0.1uF  [C_0402_1005Metric]  91.5 45.5 90 top
C1485#149  0.1uF  [C_0402_1005Metric]  103.5 133.5 90 top
C1485#150  0.1uF  [C_0402_1005Metric]  123.5 185.5 90 top
C1485#151  0.1uF  [C_0402_1005Metric]  111.5 157.5 90 top
C1485#152  0.1uF  [C_0402_1005Metric]  11.5 177.5 90 top
C1485#153  0.1uF  [C_0402_1005Metric]  107.5 173.5 90 top
C1485#154  0.1uF  [C_0402_1005Metric]  123.5 73.5 90 top
C1485#155  0.1uF  [C_0402_1005Metric]  159.5 105.5 90 top
C1485#156  0.1uF  [C_0402_1005Metric]  135.5 189.5 90 top
C1485#157  0.1uF  [C_0402_1005Metric]  111.5 89.5 90 top
C1485#158  0.1uF  [C_0402_1005Metric]  27.5 17.5 90 top
C1485#159  0.1uF  [C_0402_1005Metric]  23.5 117.5 90 top
C1485#160  0.1uF  [C_0402_1005Metric]  87.51 21.48 90 top
C1485#161  0.1uF  [C_0402_1005Metric]  43.5 109.5 90 top
C1485#162  0.1uF  [C_0402_1005Metric]  71.5 53.48 90 top
C1485#163  0.1uF  [C_0402_1005Metric]  95.5 197.5 90 top
C1485#164  0.1uF  [C_0402_1005Metric]  151.5 109.5 90 top
C1485#165  0.1uF  [C_0402_1005Metric]  119.5 77.5 90 top
C1485#166  0.1uF  [C_0402_1005Metric]  91.5 149.5 90 top
C1485#167  0.1uF  [C_0402_1005Metric]  107.5 153.5 90 top
C1485#168  0.1uF  [C_0402_1005Metric]  55.5 105.5 90 top
C1485#169  0.1uF  [C_0402_1005Metric]  119.5 149.5 90 top
C1485#170  0.1uF  [C_0402_1005Metric]  55.5 41.48 90 top
C1485#171  0.1uF  [C_0402_1005Metric]  63.5 185.5 90 top
C1485#172  0.1uF  [C_0402_1005Metric]  163.5 81.5 90 top
C1485#173  0.1uF  [C_0402_1005Metric]  131.5 33.5 90 top
C1485#174  0.1uF  [C_0402_1005Metric]  95.5 25.5 90 top
C1485#175  0.1uF  [C_0402_1005Metric]  111.5 161.5 90 top
C1485#176  0.1uF  [C_0402_1005Metric]  91.5 157.5 90 top
C1485#177  0.1uF  [C_0402_1005Metric]  155.5 81.5 90 top
C1485#178  0.1uF  [C_0402_1005Metric]  59.5 61.5 90 top
C1485#179  0.1uF  [C_0402_1005Metric]  35.5 201.52 90 top
C1485#180  0.1uF  [C_0402_1005Metric]  35.5 77.5 90 top
C1485#181  0.1uF  [C_0402_1005Metric]  31.5 153.52 90 top
C1485#182  0.1uF  [C_0402_1005Metric]  23.5 109.5 90 top
C1485#183  0.1uF  [C_0402_1005Metric]  75.5 197.5 90 top
C1485#184  0.1uF  [C_0402_1005Metric]  31.5 173.52 90 top
C1485#185  0.1uF  [C_0402_1005Metric]  59.5 157.5 90 top
C1485#186  0.1uF  [C_0402_1005Metric]  131.5 133.5 90 top
C1485#187  0.1uF  [C_0402_1005Metric]  119.5 173.5 90 top
C1485#188  0.1uF  [C_0402_1005Metric]  67.5 105.5 90 top
C1485#189  0.1uF  [C_0402_1005Metric]  63.5 201.5 90 top
C1485#190  0.1uF  [C_0402_1005Metric]  83.5 49.48 90 top
C1485#191  0.1uF  [C_0402_1005Metric]  123.5 141.5 90 top
C1485#192  0.1uF  [C_0402_1005Metric]  135.5 125.5 90 top
C1485#193  0.1uF  [C_0402_1005Metric]  47.5 65.5 90 top
C1485#194  0.1uF  [C_0402_1005Metric]  163.5 109.5 90 top
C1485#195  0.1uF  [C_0402_1005Metric]  151.5 69.5 90 top
C1485#196  0.1uF  [C_0402_1005Metric]  135.5 89.5 90 top
C1485#197  0.1uF  [C_0402_1005Metric]  131.5 189.5 90 top
C1485#198  0.1uF  [C_0402_1005Metric]  67.5 157.5 90 top
C1485#199  0.1uF  [C_0402_1005Metric]  63.51 77.48 90 top
C1485#200  0.1uF  [C_0402_1005Metric]  115.5 201.5 90 top
C1485#201  0.1uF  [C_0402_1005Metric]  23.5 77.5 90 top
C1485#202  0.1uF  [C_0402_1005Metric]  147.5 105.5 90 top
C1485#203  0.1uF  [C_0402_1005Metric]  27.5 193.52 90 top
C1485#204  0.1uF  [C_0402_1005Metric]  163.5 117.5 90 top
C1485#205  0.1uF  [C_0402_1005Metric]  71.5 117.5 90 top
C1485#206  0.1uF  [C_0402_1005Metric]  107.5 85.5 90 top
C1485#207  0.1uF  [C_0402_1005Metric]  27.51 73.48 90 top
C1485#208  0.1uF  [C_0402_1005Metric]  67.5 117.5 90 top
C1485#209  0.1uF  [C_0402_1005Metric]  71.5 197.5 90 top
C1485#210  0.1uF  [C_0402_1005Metric]  43.5 29.5 90 top
C1485#211  0.1uF  [C_0402_1005Metric]  19.5 189.52 90 top
C1485#212  0.1uF  [C_0402_1005Metric]  159.5 81.5 90 top
C1485#213  0.1uF  [C_0402_1005Metric]  31.5 101.5 90 top
C1485#214  0.1uF  [C_0402_1005Metric]  39.5 189.5 90 top
C1485#215  0.1uF  [C_0402_1005Metric]  127.5 185.5 90 top
C1485#216  0.1uF  [C_0402_1005Metric]  143.5 77.5 90 top
C1485#217  0.1uF  [C_0402_1005Metric]  59.5 149.5 90 top
C1485#218  0.1uF  [C_0402_1005Metric]  111.5 29.5 90 top
C1485#219  0.1uF  [C_0402_1005Metric]  87.5 125.5 90 top
C1485#220  0.1uF  [C_0402_1005Metric]  55.5 149.52 90 top
C1485#221  0.1uF  [C_0402_1005Metric]  147.5 69.5 90 top
C1485#222  0.1uF  [C_0402_1005Metric]  67.5 153.5 90 top
C1485#223  0.1uF  [C_0402_1005Metric]  91.5 109.5 90 top
C1485#224  0.1uF  [C_0402_1005Metric]  19.5 85.5 90 top
C1485#225  0.1uF  [C_0402_1005Metric]  67.5 209.52 90 top
C1485#226  0.1uF  [C_0402_1005Metric]  23.5 193.5 90 top
C1485#227  0.1uF  [C_0402_1005Metric]  27.5 177.5 90 top
C1485#228  0.1uF  [C_0402_1005Metric]  71.5 57.48 90 top
C1485#229  0.1uF  [C_0402_1005Metric]  91.5 197.5 90 top
C1485#230  0.1uF  [C_0402_1005Metric]  35.5 137.52 90 top
C1485#231  0.1uF  [C_0402_1005Metric]  115.5 193.5 90 top
C1485#232  0.1uF  [C_0402_1005Metric]  99.5 37.5 90 top
C1485#233  0.1uF  [C_0402_1005Metric]  111.5 205.5 90 top
C1485#234  0.1uF  [C_0402_1005Metric]  99.5 185.5 90 top
C1485#235  0.1uF  [C_0402_1005Metric]  59.5 153.5 90 top
C1485#236  0.1uF  [C_0402_1005Metric]  51.5 205.52 90 top
C1485#237  0.1uF  [C_0402_1005Metric]  51.5 137.52 90 top
C1485#238  0.1uF  [C_0402_1005Metric]  95.5 153.5 90 top
C1485#239  0.1uF  [C_0402_1005Metric]  147.5 145.5 90 top
C1485#240  0.1uF  [C_0402_1005Metric]  27.5 29.5 90 top
C1485#241  0.1uF  [C_0402_1005Metric]  67.5 193.52 90 top
C1485#242  0.1uF  [C_0402_1005Metric]  127.5 137.5 90 top
C1485#243  0.1uF  [C_0402_1005Metric]  151.5 165.5 90 top
C1485#244  0.1uF  [C_0402_1005Metric]  51.5 173.5 90 top
C1485#245  0.1uF  [C_0402_1005Metric]  123.5 205.5 90 top
C1485#246  0.1uF  [C_0402_1005Metric]  107.5 25.5 90 top
C1485#247  0.1uF  [C_0402_1005Metric]  51.5 101.5 90 top
C1485#248  0.1uF  [C_0402_1005Metric]  19.5 205.52 90 top
C1485#249  0.1uF  [C_0402_1005Metric]  123.5 105.5 90 top
C1485#250  0.1uF  [C_0402_1005Metric]  11.5 169.5 90 top
C1485#251  0.1uF  [C_0402_1005Metric]  27.5 201.52 90 top
C1485#252  0.1uF  [C_0402_1005Metric]  138.98 173.07 180 top
C1485#253  0.1uF  [C_0402_1005Metric]  43.5 105.5 90 top
C1485#254  0.1uF  [C_0402_1005Metric]  147.5 85.5 90 top
C1485#255  0.1uF  [C_0402_1005Metric]  131.5 185.5 90 top
C1485#256  0.1uF  [C_0402_1005Metric]  79.5 113.5 90 top
C1485#257  0.1uF  [C_0402_1005Metric]  143.5 121.5 90 top
C1485#258  0.1uF  [C_0402_1005Metric]  95.5 133.5 90 top
C1485#259  0.1uF  [C_0402_1005Metric]  167.5 105.5 90 top
C1485#260  0.1uF  [C_0402_1005Metric]  143.5 149.5 90 top
C1485#261  0.1uF  [C_0402_1005Metric]  75.5 45.48 90 top
C1485#262  0.1uF  [C_0402_1005Metric]  59.5 89.48 90 top
C1485#263  0.1uF  [C_0402_1005Metric]  143.5 113.5 90 top
C1485#264  0.1uF  [C_0402_1005Metric]  23.5 173.52 90 top
C1485#265  0.1uF  [C_0402_1005Metric]  19.5 169.5 90 top
C1485#266  0.1uF  [C_0402_1005Metric]  75.5 189.5 90 top
C1485#267  0.1uF  [C_0402_1005Metric]  59.5 209.52 90 top
C1485#268  0.1uF  [C_0402_1005Metric]  95.5 37.5 90 top
C1485#269  0.1uF  [C_0402_1005Metric]  23.5 181.5 90 top
C1485#270  0.1uF  [C_0402_1005Metric]  39.5 117.5 90 top
C1485#271  0.1uF  [C_0402_1005Metric]  111.5 197.5 90 top
C1485#272  0.1uF  [C_0402_1005Metric]  95.5 33.5 90 top
C1485#273  0.1uF  [C_0402_1005Metric]  91.51 61.48 90 top
C1485#274  0.1uF  [C_0402_1005Metric]  79.51 73.48 90 top
C1485#275  0.1uF  [C_0402_1005Metric]  127.5 153.5 90 top
C1485#276  0.1uF  [C_0402_1005Metric]  91.51 21.48 90 top
C1485#277  0.1uF  [C_0402_1005Metric]  43.5 65.5 90 top
C1485#278  0.1uF  [C_0402_1005Metric]  119.5 153.5 90 top
C1485#279  0.1uF  [C_0402_1005Metric]  95.5 173.5 90 top
C1485#280  0.1uF  [C_0402_1005Metric]  43.5 121.5 90 top
C1485#281  0.1uF  [C_0402_1005Metric]  103.5 37.5 90 top
C1485#282  0.1uF  [C_0402_1005Metric]  79.51 69.48 90 top
C1485#283  0.1uF  [C_0402_1005Metric]  131.5 129.5 90 top
C1485#284  0.1uF  [C_0402_1005Metric]  55.5 37.48 90 top
C1485#285  0.1uF  [C_0402_1005Metric]  111.5 85.5 90 top
C1485#286  0.1uF  [C_0402_1005Metric]  119.5 73.5 90 top
C1485#287  0.1uF  [C_0402_1005Metric]  31.5 161.52 90 top
C1485#288  0.1uF  [C_0402_1005Metric]  103.5 205.5 90 top
C1485#289  0.1uF  [C_0402_1005Metric]  139.5 137.5 90 top
C1485#290  0.1uF  [C_0402_1005Metric]  151.5 137.5 90 top
C1485#291  0.1uF  [C_0402_1005Metric]  47.5 105.5 90 top
C1485#292  0.1uF  [C_0402_1005Metric]  155.5 93.5 90 top
C1485#293  0.1uF  [C_0402_1005Metric]  63.5 101.5 90 top
C1485#294  0.1uF  [C_0402_1005Metric]  135.5 73.5 90 top
C1485#295  0.1uF  [C_0402_1005Metric]  71.5 153.5 90 top
C1485#296  0.1uF  [C_0402_1005Metric]  79.5 105.5 90 top
C1485#297  0.1uF  [C_0402_1005Metric]  87.5 165.5 90 top
C1485#298  0.1uF  [C_0402_1005Metric]  47.5 205.5 90 top
C1485#299  0.1uF  [C_0402_1005Metric]  15.5 89.5 90 top
C1485#300  0.1uF  [C_0402_1005Metric]  19.5 161.5 90 top
C1485#301  0.1uF  [C_0402_1005Metric]  147.5 77.5 90 top
C1485#302  0.1uF  [C_0402_1005Metric]  59.5 69.5 90 top
C1485#303  0.1uF  [C_0402_1005Metric]  19.5 177.5 90 top
C1485#304  0.1uF  [C_0402_1005Metric]  87.51 77.48 90 top
C1485#305  0.1uF  [C_0402_1005Metric]  107.5 177.5 90 top
C1485#306  0.1uF  [C_0402_1005Metric]  87.5 197.5 90 top
C1485#307  0.1uF  [C_0402_1005Metric]  39.5 49.5 90 top
C1485#308  0.1uF  [C_0402_1005Metric]  135.5 185.5 90 top
C1485#309  0.1uF  [C_0402_1005Metric]  75.5 109.5 90 top
C1485#310  0.1uF  [C_0402_1005Metric]  163.5 97.5 90 top
C1485#311  0.1uF  [C_0402_1005Metric]  147.5 169.5 90 top
C1485#312  0.1uF  [C_0402_1005Metric]  119.5 129.5 90 top
C1485#313  0.1uF  [C_0402_1005Metric]  135.5 101.5 90 top